# KiCad board Leviathan.kicad_pcb (continued)
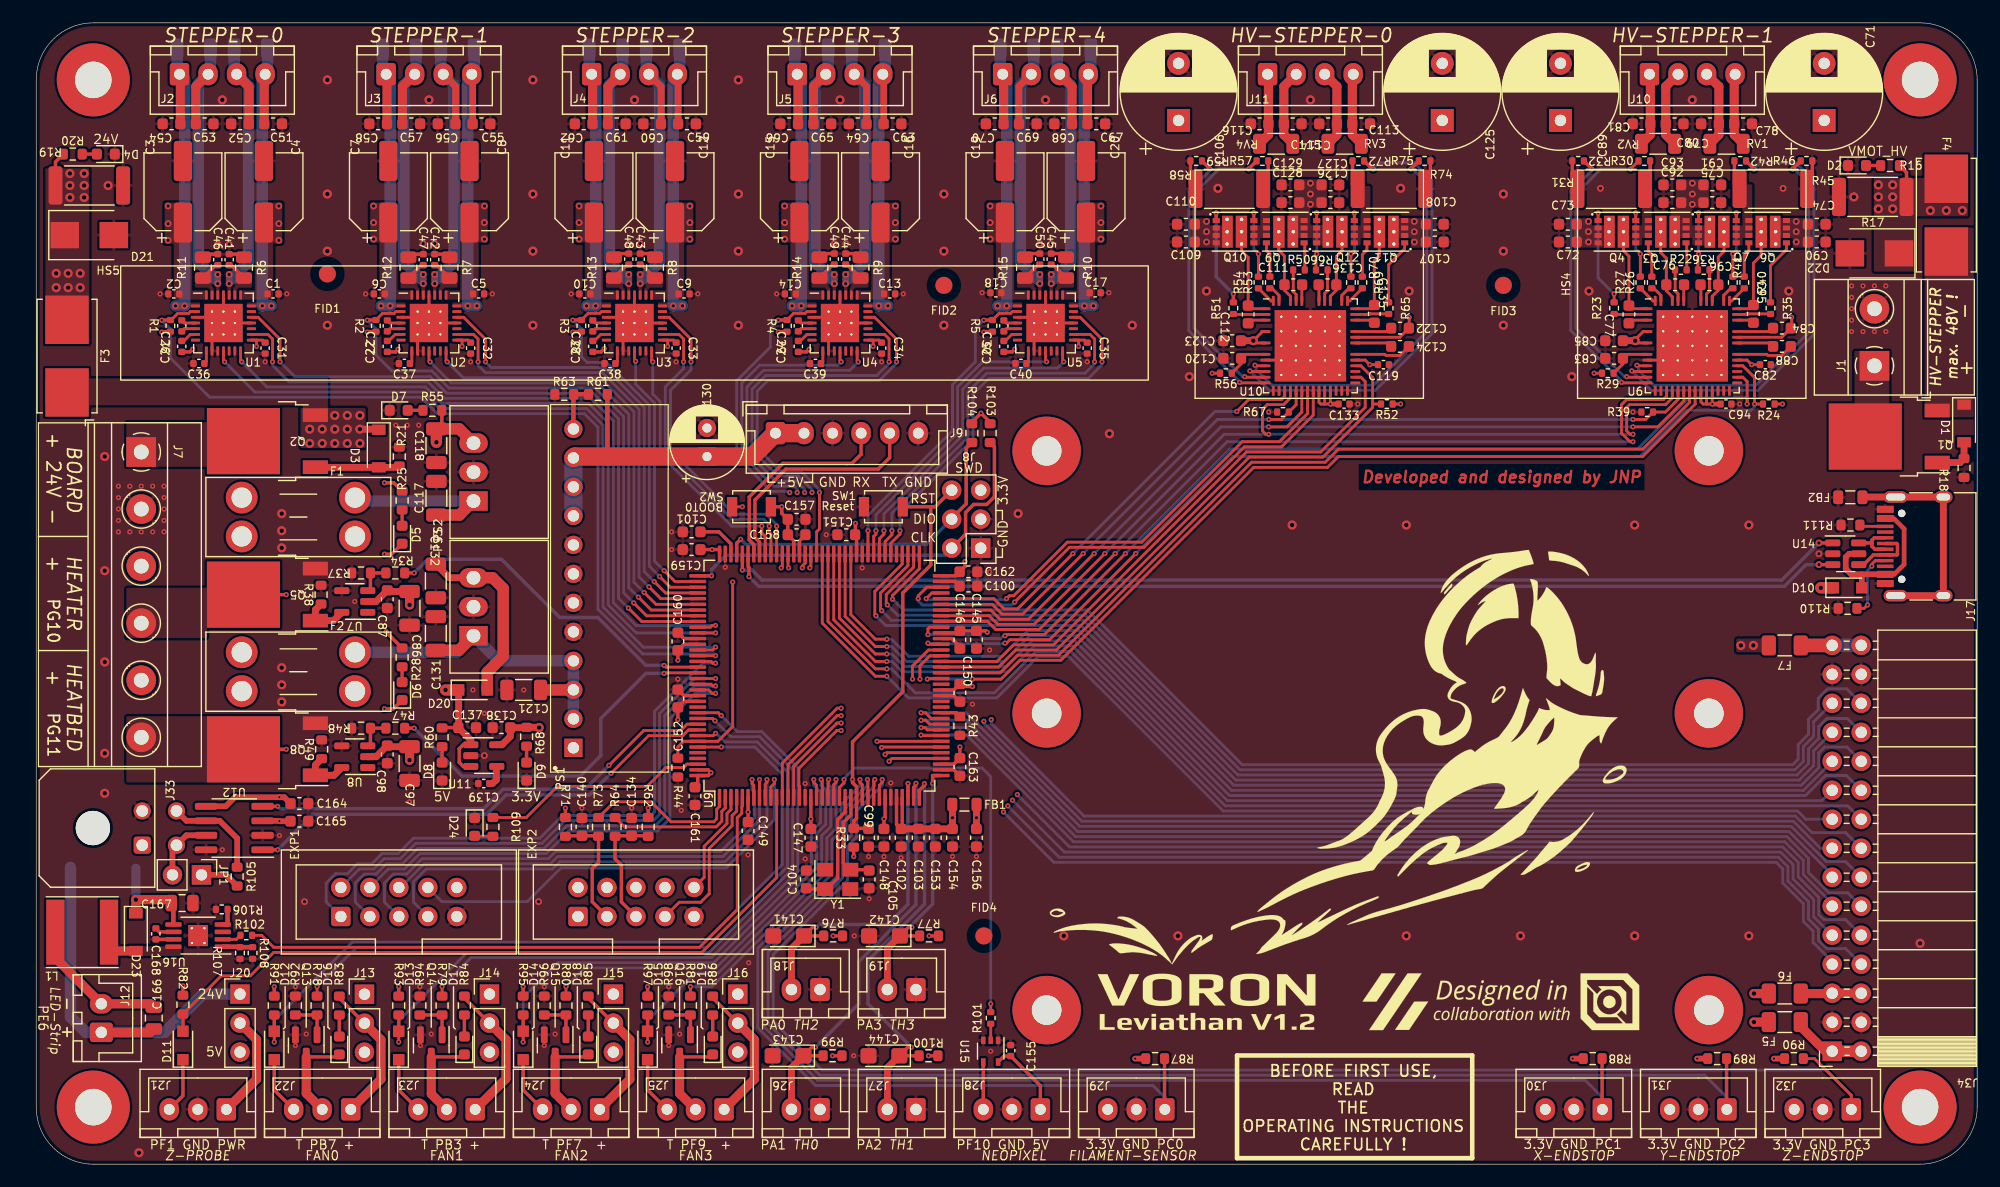
[diagram p0: board, top side]
## Routing (per net, layer and track width the routed paths; a pad name or vN(x,y) marks a point on that pad's centre or on a via; arc(x,y) is an arc through that point) (continued)
Net-(R32-Pad1): length 24.6
  Top w0.25: v1(138.85,68.5) 138.9,68.45 U6.11
  Top w0.3: v1(136.25,87.2) 136.25,87.21 R32.1
  Bottom w0.25: v1(138.85,68.5) 138.85,68.6 134.4,73.05 134.4,85.2 136.25,87.05 v1(136.25,87.2)
Net-(R34-Pad2): length 3
  Top w0.3: U7.3 29.28,50.49 R37.1 R34.2
Net-(R35-Pad1): length 2.9
  Top w0.25: R35.1 151.89,74.5 149.8,74.5 149.75,74.45 U6.36
Net-(R36-Pad1): length 2.8
  Top w0.25: R36.1 146.55,78.34 146.55,76.5 146.3,76.25 U6.41
Net-(R40-Pad1): length 1.8
  Top w0.25: U6.38 148.5,75.64 R40.1
Net-(R41-Pad1): length 1.5
  Top w0.25: U6.39 147.8,76.12 148.42,76.74 R41.1
Net-(R42-Pad1): length 40.6
  Top w0.25: U6.9 139.8,69.45 v1(139.75,69.5)
  Top w0.3: v1(150.45,87.2) 150.45,87.21 R42.1
  Bottom w0.25: v1(139.75,69.5) 141.45,67.8 150.8,67.8 155.7,72.7 155.7,86.15 154.1,87.75 151,87.75 v1(150.45,87.2)
Net-(R43-Pad2): length 1.8
  Top w0.3: U9.48 80.57,39.55 80.9,39.22
Net-(R46-Pad1): length 34.8
  Top w0.25: U6.8 140.25,69.95 v1(140.2,70)
  Top w0.3: v1(153.85,87.2) 153.85,87.21 R46.1
  Bottom w0.25: v1(140.2,70) 140.35,69.85 140.35,69.55 141.65,68.25 150.61,68.25 155.25,72.89 155.25,85.94 153.99,87.2 v1(153.85,87.2)
Net-(R47-Pad2): length 3
  Top w0.3: U8.3 29.28,36.89 R48.1 R47.2
Net-(R50-Pad1): length 2.8
  Top w0.25: R50.1 110.1,78.34 110.1,76.45 110.35,76.2 U10.44
Net-(R51-Pad1): length 2.8
  Top w0.25: U10.2 104.89,74.45 R51.1
Net-(R53-Pad1): length 1.5
  Top w0.25: U10.46 108.85,76.12 108.23,76.74 R53.1
Net-(R54-Pad1): length 1.8
  Top w0.25: R54.1 108.15,75.64 U10.47
Net-(R57-Pad1): length 26.5
  Top w0.25: U10.10 105.9,68.95 v1(105.85,69)
  Top w0.3: v1(106.2,87.2) 106.2,87.21 R57.1
  Bottom w0.25: v1(105.85,69) 105.65,69 101.4,73.25 101.4,85 103.6,87.2 v1(106.2,87.2)
Net-(R59-Pad1): length 24.6
  Top w0.25: v1(105.4,68.5) 105.45,68.45 U10.11
  Top w0.3: v1(102.8,87.2) 102.8,87.21 R59.1
  Bottom w0.25: v1(105.4,68.5) 105.4,68.56 100.95,73.01 100.95,85.2 102.8,87.05 v1(102.8,87.2)
Net-(R64-Pad2): length 12.1
  Top w0.25: U9.2 60.35,31.21 60.05,30.91 60.05,30.05 59.55,29.55 51.53,29.55 R64.2
Net-(R65-Pad1): length 2.9
  Top w0.25: U10.36 116.65,74.45 116.7,74.5 116.85,74.5 118.44,74.5 R65.1
Net-(R66-Pad1): length 2.8
  Top w0.25: U10.41 112.85,76.29 113.1,76.54 113.1,78.34 R66.1
Net-(R69-Pad1): length 1.8
  Top w0.25: R69.1 115.05,75.64 U10.38
Net-(R70-Pad1): length 1.5
  Top w0.25: U10.39 114.35,76.12 114.97,76.74 R70.1
Net-(R72-Pad1): length 40.6
  Top w0.25: v1(106.3,69.5) 106.35,69.45 U10.9
  Top w0.3: v1(117.1,87.2) 117.01,87.2 R72.1
  Bottom w0.25: v1(117.1,87.2) 117.65,87.75 120.66,87.75 122.25,86.16 122.25,72.76 117.29,67.8 108,67.8 v1(106.3,69.5)
Net-(R73-Pad2): length 13.7
  Top w0.25: R73.2 50.62,31.75 53.85,31.75 55.6,30 59.35,30 59.6,30.25 59.6,31.1 59.85,31.35 U9.1
Net-(R75-Pad1): length 34.7
  Top w0.25: v1(106.75,70) 106.8,69.95 U10.8
  Top w0.3: v1(120.4,87.2) 120.4,87.21 R75.1
  Bottom w0.25: v1(106.75,70) 106.85,69.9 106.85,69.61 108.21,68.25 117.1,68.25 121.8,72.95 121.8,85.95 120.55,87.2 v1(120.4,87.2)
Net-(R101-Pad2): length 36
  Top w0.25: U9.22 70.35,33 70.75,33.4 v1(70.75,33.7) ; R101.2 v1(83.6,14.05)
  Bottom w0.25: v1(83.6,14.05) 83.6,33.95 82.85,34.7 71.67,34.7 70.75,33.78 v1(70.75,33.7)
Net-(R102-Pad2): length 54.3
  Top w0.25: U9.5 61.85,31.38 61.8,31.32 61.8,30.75 61.4,30.35 61.4,22.3 58.1,19 20.8,19 19.75,20.05 R102.2
Net-(R106-Pad1): length 1.7
  Top w0.4: U16.4 16.72,21 16.76,21.04 R106.1
Net-(R107-Pad1): length 2.6
  Top w0.4: R108.1 R107.1 17.81,19.05 U16.1

## Copper pours and planes (outline as drawn; the poured copper is in the pictures)
+3.3VA on In1.Cu: 80.95,0 63.6,0 63.6,22.05 75.1,22.05 75.1,34.3 80.95,34.3
+3V3 on In1.Cu: 170,0 0,0 0,100 170,100
+24V on Top: 31.05,80.75 29.25,80.75 29.25,84.25 31.05,84.25
+24V on Top: 39.55,80.75 37.75,80.75 37.75,84.25 39.55,84.25
+24V on Top: 49.05,80.75 47.25,80.75 47.25,84.25 49.05,84.25
+24V on Top: 57.55,80.75 55.8,80.75 55.8,84.25 57.55,84.25
+24V on Top: 67,80.75 65.25,80.75 65.25,84.25 67,84.25
+24V on Top: 75.55,80.75 73.8,80.75 73.8,84.25 75.55,84.25
+24V on Top: 93.55,80.75 91.8,80.75 91.8,84.25 93.55,84.25
+24V on Top: 13.05,80.65 11.25,80.65 11.25,84.25 13.05,84.25
+24V on Top: 21.55,80.65 19.8,80.65 19.8,84.25 21.55,84.25
+24V on Top: 67.65,76.55 68.95,76.55 68.95,75.75 66.05,75.75 66.05,82.6 67.65,82.6
+24V on Top: 92.75,75.75 89.85,75.75 89.85,76.55 91.15,76.55 91.15,82.6 92.75,82.6
+24V on Top: 85,82.65 85.65,82.65 85.65,76.55 86.95,76.55 86.95,75.75 84.05,75.75 84.05,80.75 83.25,80.75 83.25,84.25 85,84.25
+24V on Top: 74.75,75.75 71.85,75.75 71.85,76.55 73.15,76.55 73.15,82.7 74.75,82.7
+24V on Top: 56.75,75.75 53.85,75.75 53.85,76.55 55.15,76.55 55.15,82.65 56.75,82.65
+24V on Top: 49.65,76.55 50.95,76.55 50.95,75.75 48.05,75.75 48.05,82.7 49.65,82.65
+24V on Top: 38.75,75.75 35.85,75.75 35.85,76.55 37.15,76.55 37.15,82.75 38.75,82.75
+24V on Top: 31.65,76.55 32.95,76.55 32.95,75.75 30.05,75.75 30.05,82.7 31.65,82.7
+24V on Top: 13.65,76.55 14.95,76.55 14.95,75.75 12.05,75.75 12.05,82.65 13.65,82.65
+24V on Top: 20.75,75.75 17.85,75.75 17.85,76.55 19.15,76.55 19.15,82.7 20.75,82.7
+24V on Top: 151.85,44.85 148.9,44.85 148.9,46.05 151.85,46.05
+24V on Top: 4.65,71.9 0.8,71.9 0.8,87.25 4.65,87.25
+24V on Bottom: 3.2,27.5 7.95,27.5 7.95,28.7 10.1,28.7 10.1,25 0.8,25 0.8,78.45 3.2,78.45
+24V on In1.Cu: 97.15,74.8 0,74.8 0,100 97.15,100
GND on Top: 25.9,51.25 23,51.25 23,53.15 25.9,53.15
GND on Top: 25.9,37.7 23,37.7 23,39.6 25.9,39.6
GND on Top: 170,0 0,0 0,100 170,100
GND on Bottom: 148.6,68.15 141.5,68.15 141.5,75.25 148.6,75.25
GND on Bottom: 115.15,68.15 108.05,68.15 108.05,75.25 115.15,75.25
GND on Bottom: 90.65,71.45 86.15,71.45 86.15,75.95 90.65,75.95
GND on Bottom: 72.65,71.45 68.15,71.45 68.15,75.95 72.65,75.95
GND on Bottom: 54.65,71.45 50.15,71.45 50.15,75.95 54.65,75.95
GND on Bottom: 36.65,71.45 32.15,71.45 32.15,75.95 36.65,75.95
GND on Bottom: 18.7,71.4 14.1,71.4 14.1,76 18.7,76
GND on Bottom: 170,0 0,0 0,100 170,100
GND on In1.Cu: 148.2,68.55 141.9,68.55 141.9,74.85 148.2,74.85
GND on In1.Cu: 114.75,68.55 108.45,68.55 108.45,74.85 114.75,74.85
GND on In1.Cu: 90.2,71.9 86.6,71.9 86.6,75.5 90.2,75.5
GND on In1.Cu: 72.2,71.9 68.6,71.9 68.6,75.5 72.2,75.5
GND on In1.Cu: 54.2,71.9 50.6,71.9 50.6,75.5 54.2,75.5
GND on In1.Cu: 36.2,71.9 32.6,71.9 32.6,75.5 36.2,75.5
GND on In1.Cu: 18.2,71.9 14.6,71.9 14.6,75.5 18.2,75.5
GND on In1.Cu: 33.8,33.45 0,33.45 0,62.5 33.8,62.5
GND on In1.Cu: 162.75,72.7 158.75,72.7 158.75,77.2 162.75,77.2
GND on In2.Cu: 170,0 0,0 0,100 170,100
VDD on Top: 28.85,62.75 23.15,62.75 23.15,66.25 28.85,66.25
VDD on Top: 25.55,65.05 23.35,65.05 23.35,66.5 0.8,66.5 0.8,68.85 25.55,68.85
VDD on Bottom: 29.55,39.85 23.15,39.85 23.15,66.25 29.55,66.25
A1_DRV0 on Top: 17.2,77 17.05,76.85 17.05,75.75 16.75,75.75 16.75,76.85 16.6,77 16.6,78.25 17.2,78.25
A1_DRV1 on Top: 35.2,77 35.05,76.85 35.05,75.75 34.75,75.75 34.75,76.85 34.6,77 34.6,78.25 35.2,78.25
A1_DRV2 on Top: 53.2,77 53.05,76.85 53.05,75.75 52.75,75.75 52.75,76.85 52.6,77 52.6,78.25 53.2,78.25
A1_DRV3 on Top: 71.2,77 71.05,76.85 71.05,75.75 70.75,75.75 70.75,76.85 70.6,77 70.6,78.25 71.2,78.25
A1_DRV4 on Top: 89.2,77 89.05,76.85 89.05,75.75 88.75,75.75 88.75,76.85 88.6,77 88.6,78.25 89.2,78.25
A2_DRV0 on Top: 20.9,74.9 19.65,74.9 19.5,75.05 18.45,75.05 18.45,75.5 20.9,75.5
A2_DRV1 on Top: 38.9,74.9 37.65,74.9 37.5,75.05 36.45,75.05 36.45,75.5 38.9,75.5
A2_DRV2 on Top: 56.9,74.9 55.65,74.9 55.5,75.05 54.45,75.05 54.45,75.5 56.9,75.5
A2_DRV3 on Top: 74.9,74.9 73.65,74.9 73.5,75.05 72.45,75.05 72.45,75.5 74.9,75.5
A2_DRV4 on Top: 92.9,74.9 91.65,74.9 91.5,75.05 90.45,75.05 90.45,75.5 92.9,75.5
B1_DRV0 on Top: 16.2,77 16.05,76.85 16.05,75.75 15.75,75.75 15.75,76.85 15.6,77 15.6,78.25 16.2,78.25
B1_DRV1 on Top: 34.2,77 34.05,76.85 34.05,75.75 33.75,75.75 33.75,76.85 33.6,77 33.6,78.25 34.2,78.25
B1_DRV2 on Top: 52.2,77 52.05,76.85 52.05,75.75 51.75,75.75 51.75,76.85 51.6,77 51.6,78.25 52.2,78.25
B1_DRV3 on Top: 70.2,77 70.05,76.85 70.05,75.75 69.75,75.75 69.75,76.85 69.6,77 69.6,78.25 70.2,78.25
B1_DRV4 on Top: 88.2,77 88.05,76.85 88.05,75.75 87.75,75.75 87.75,76.85 87.6,77 87.6,78.25 88.2,78.25
B2_DRV0 on Top: 14.35,75.05 13.3,75.05 13.15,74.9 11.9,74.9 11.9,75.5 14.35,75.5
B2_DRV1 on Top: 32.35,75.05 31.3,75.05 31.1,74.9 29.9,74.9 29.9,75.5 32.35,75.5
B2_DRV2 on Top: 50.35,75.05 49.3,75.05 49.15,74.9 47.9,74.9 47.9,75.5 50.35,75.5
B2_DRV3 on Top: 68.35,75.05 67.3,75.05 67.15,74.9 65.9,74.9 65.9,75.5 68.35,75.5
B2_DRV4 on Top: 86.35,75.05 85.3,75.05 85.15,74.9 83.9,74.9 83.9,75.5 86.35,75.5
Heatbed on Top: 21.35,33.45 7.9,33.45 7.9,39.25 21.35,39.25
Heater on Top: 21.35,47 14.95,47 14.95,46.1 7.9,46.1 7.9,50.5 14.95,50.5 14.95,52.8 21.35,52.8
VMOT_1 on Top: 155.65,80.3 153.85,80.3 153.85,81.15 151.85,81.15 151.85,82.9 155.65,82.9
VMOT_1 on Top: 136.25,82.25 138.25,82.25 138.25,80.3 134.45,80.3 134.45,82.9 136.25,82.9
VMOT_1 on Top: 122.2,80.3 120.4,80.3 120.4,81.15 118.4,81.15 118.4,82.9 122.2,82.9
VMOT_1 on Top: 102.8,82.25 104.8,82.25 104.8,80.3 101,80.3 101,82.9 102.8,82.9
VMOT_1 on Top: 113.05,83.8 111.6,83.8 111.6,82.35 113.6,82.35 113.6,80.5 111.8,80.5 111.8,81.15 109.7,81.15 109.7,83.8 110.15,83.8 110.15,86.3 113.05,86.3
VMOT_1 on Top: 145.05,81.15 143.15,81.15 143.15,83.8 143.6,83.8 143.6,86.3 146.5,86.3 146.5,83.8 145.05,83.8 145.05,82.25 147.05,82.25 147.05,80.5 145.05,80.5
VMOT_1 on Top: 169.2,83.05 164.6,83.05 164.6,78.2 160.95,78.2 160.95,86.4 165.4,86.4 165.4,88.45 169.2,88.45
VMOT_1 on In1.Cu: 170,71 97.4,71 97.4,100 170,100
Net-(C41-Pad2) on Top: 18.9,76.8 17.75,76.8 17.55,76.6 17.55,75.75 17.25,75.75 17.25,76.75 17.4,76.9 17.4,78.15 18.9,78.15
Net-(C42-Pad2) on Top: 36.9,76.8 35.75,76.8 35.55,76.6 35.55,75.75 35.25,75.75 35.25,76.75 35.4,76.9 35.4,78.15 36.9,78.15
Net-(C43-Pad2) on Top: 54.9,76.8 53.75,76.8 53.55,76.6 53.55,75.75 53.25,75.75 53.25,76.7 53.4,76.85 53.4,78.15 54.9,78.15
Net-(C44-Pad2) on Top: 72.9,76.8 71.75,76.8 71.55,76.6 71.55,75.75 71.25,75.75 71.25,76.75 71.4,76.9 71.4,78.15 72.9,78.15
Net-(C45-Pad2) on Top: 90.9,76.8 89.75,76.8 89.55,76.6 89.55,75.75 89.25,75.75 89.25,76.75 89.4,76.9 89.4,78.15 90.9,78.15
Net-(C46-Pad2) on Top: 15.4,76.9 15.55,76.75 15.55,75.75 15.25,75.75 15.25,76.6 15.05,76.8 13.9,76.8 13.9,78.15 15.4,78.15
Net-(C47-Pad2) on Top: 33.4,76.9 33.55,76.75 33.55,75.75 33.25,75.75 33.25,76.6 33.1,76.75 31.9,76.75 31.9,78.15 33.4,78.15
Net-(C48-Pad2) on Top: 51.4,76.85 51.55,76.7 51.55,75.75 51.25,75.75 51.25,76.6 51.05,76.8 49.9,76.8 49.9,78.15 51.4,78.15
Net-(C49-Pad2) on Top: 69.4,76.9 69.55,76.75 69.55,75.75 69.25,75.75 69.25,76.6 69.05,76.8 67.9,76.8 67.9,78.15 69.4,78.15
Net-(C50-Pad2) on Top: 87.4,76.9 87.55,76.75 87.55,75.75 87.25,75.75 87.25,76.6 87.05,76.8 85.9,76.8 85.9,78.15 87.4,78.15
Net-(C76-Pad1) on Bottom: 144.65,95 143.85,94.2 143.85,85.9 142.8,84.85 142.8,80.3 141.8,80.3 141.8,85.85 142.35,86.4 142.35,95.05 142.95,95.65 144.65,95.65
Net-(C77-Pad1) on Bottom: 142.15,86.6 139.5,83.95 139.5,80.3 138.5,80.3 138.5,84.85 140.5,86.85 140.5,95.7 142.15,95.7
Net-(C78-Pad1) on Bottom: 149.6,86.8 151.6,84.8 151.6,80.3 150.6,80.3 150.6,83.95 147.95,86.6 147.95,95.65 149.6,95.65
Net-(C79-Pad1) on Bottom: 147.15,95.65 147.75,95.15 147.75,86.4 148.3,85.85 148.3,80.3 147.3,80.3 147.3,85 146.35,85.95 146.35,94.12 145.45,94.97 145.45,95.65
Net-(C111-Pad1) on Bottom: 111.2,94.97 110.45,94.22 110.45,85.95 109.35,84.85 109.35,80.3 108.35,80.3 108.35,85.85 108.9,86.4 108.9,95.05 109.5,95.65 111.2,95.65
Net-(C112-Pad1) on Bottom: 108.7,86.6 106.05,83.95 106.05,80.3 105.05,80.3 105.05,84.85 107.05,86.85 107.05,95.65 108.7,95.65
Net-(C113-Pad1) on Bottom: 116.15,86.8 118.15,84.8 118.15,80.3 117.15,80.3 117.15,83.95 114.5,86.6 114.5,95.65 116.15,95.65
Net-(C114-Pad1) on Bottom: 114.3,95.05 114.3,86.4 114.85,85.85 114.85,80.3 113.85,80.3 113.85,84.9 112.8,85.95 112.8,94.2 112,95 112,95.65 113.7,95.65
Net-(D1-Pad1) on Top: 169.75,65.45 165.4,65.45 165.4,82.05 169.75,82.05
Net-(D23-Pad2) on Top: 12.7,18.25 8.15,18.25 8.15,19.1 12.7,19.1
Net-(F1-Pad1) on Bottom: 19.4,51.1 7.9,51.1 7.9,55 15.3,55 15.3,59.8 19.4,59.8
Net-(F2-Pad1) on Bottom: 19.4,40.05 7.9,40.05 7.9,44.5 16.6,44.5 16.6,46.25 19.4,46.25
Net-(J1-Pad1) on Top: 162.3,63.2 159.25,63.2 159.25,71.25 162.3,71.25
Net-(J7-Pad1) on Top: 21.3,61.1 7.9,61.1 7.9,65 14.95,65 14.95,66.25 21.3,66.25
Net-(Q3-Pad5) on Top: 141.5,81.15 140.65,81.15 140.65,80.5 139.8,80.5 139.8,82.25 140.65,82.25 140.65,85.55 141.5,85.55
Net-(Q6-Pad5) on Top: 150.3,81.15 149.45,81.15 149.45,80.5 148.6,80.5 148.6,82.25 149.45,82.25 149.45,84.45 148.9,84.45 148.9,85.85 150.3,85.85
Net-(Q10-Pad5) on Top: 108.05,81.15 107.2,81.15 107.2,80.5 106.35,80.5 106.35,82.25 107.2,82.25 107.2,85.55 108.05,85.55
Net-(Q11-Pad5) on Top: 116.85,81.15 116,81.15 116,80.5 115.15,80.5 115.15,82.25 116,82.25 116,83.8 115.45,83.8 115.45,85.7 116.85,85.7

Small or netless copper shapes (teardrops, artwork), in the pictures only: 10 on Bottom

## Text on the board
Top: Developed and designed by JNP
F.Silkscreen: 24V | PF1 GND PWR | 5V | FAN0 | T PB7 + | FAN1 | T PB3 + | 3.3V | FAN2 | T PF7  + | FAN3 | T PF9  + | PA0 | PA1 | +5V | GND | RX | PA3 | PA2 | TX | RST | CLK | DIO | SWD | PF10 GND 5V | 3.3V GND PC0 | 3.3V GND PC1 | 3.3V GND PC2 | 3.3V GND PC3 | VMOT_HV | Z-PROBE | TH2 | TH0 | TH3 | TH1 | NEOPIXEL | FILAMENT-SENSOR | X-ENDSTOP | Y-ENDSTOP | Z-ENDSTOP | PE6 | LED-Strip | HV-STEPPER / max. 48V ! | PG10 | PG11 | BEFORE FIRST USE, / READ / THE / OPERATING INSTRUCTIONS / CAREFULLY ! | + | - | + 24V - | STEPPER-0 | STEPPER-1 | STEPPER-2 | STEPPER-3 | STEPPER-4 | HV-STEPPER-0 | HV-STEPPER-1 | BOARD | HEATER | HEATBED
